# KiCad board kibot_edayvwh5.kicad_pcb (continued)
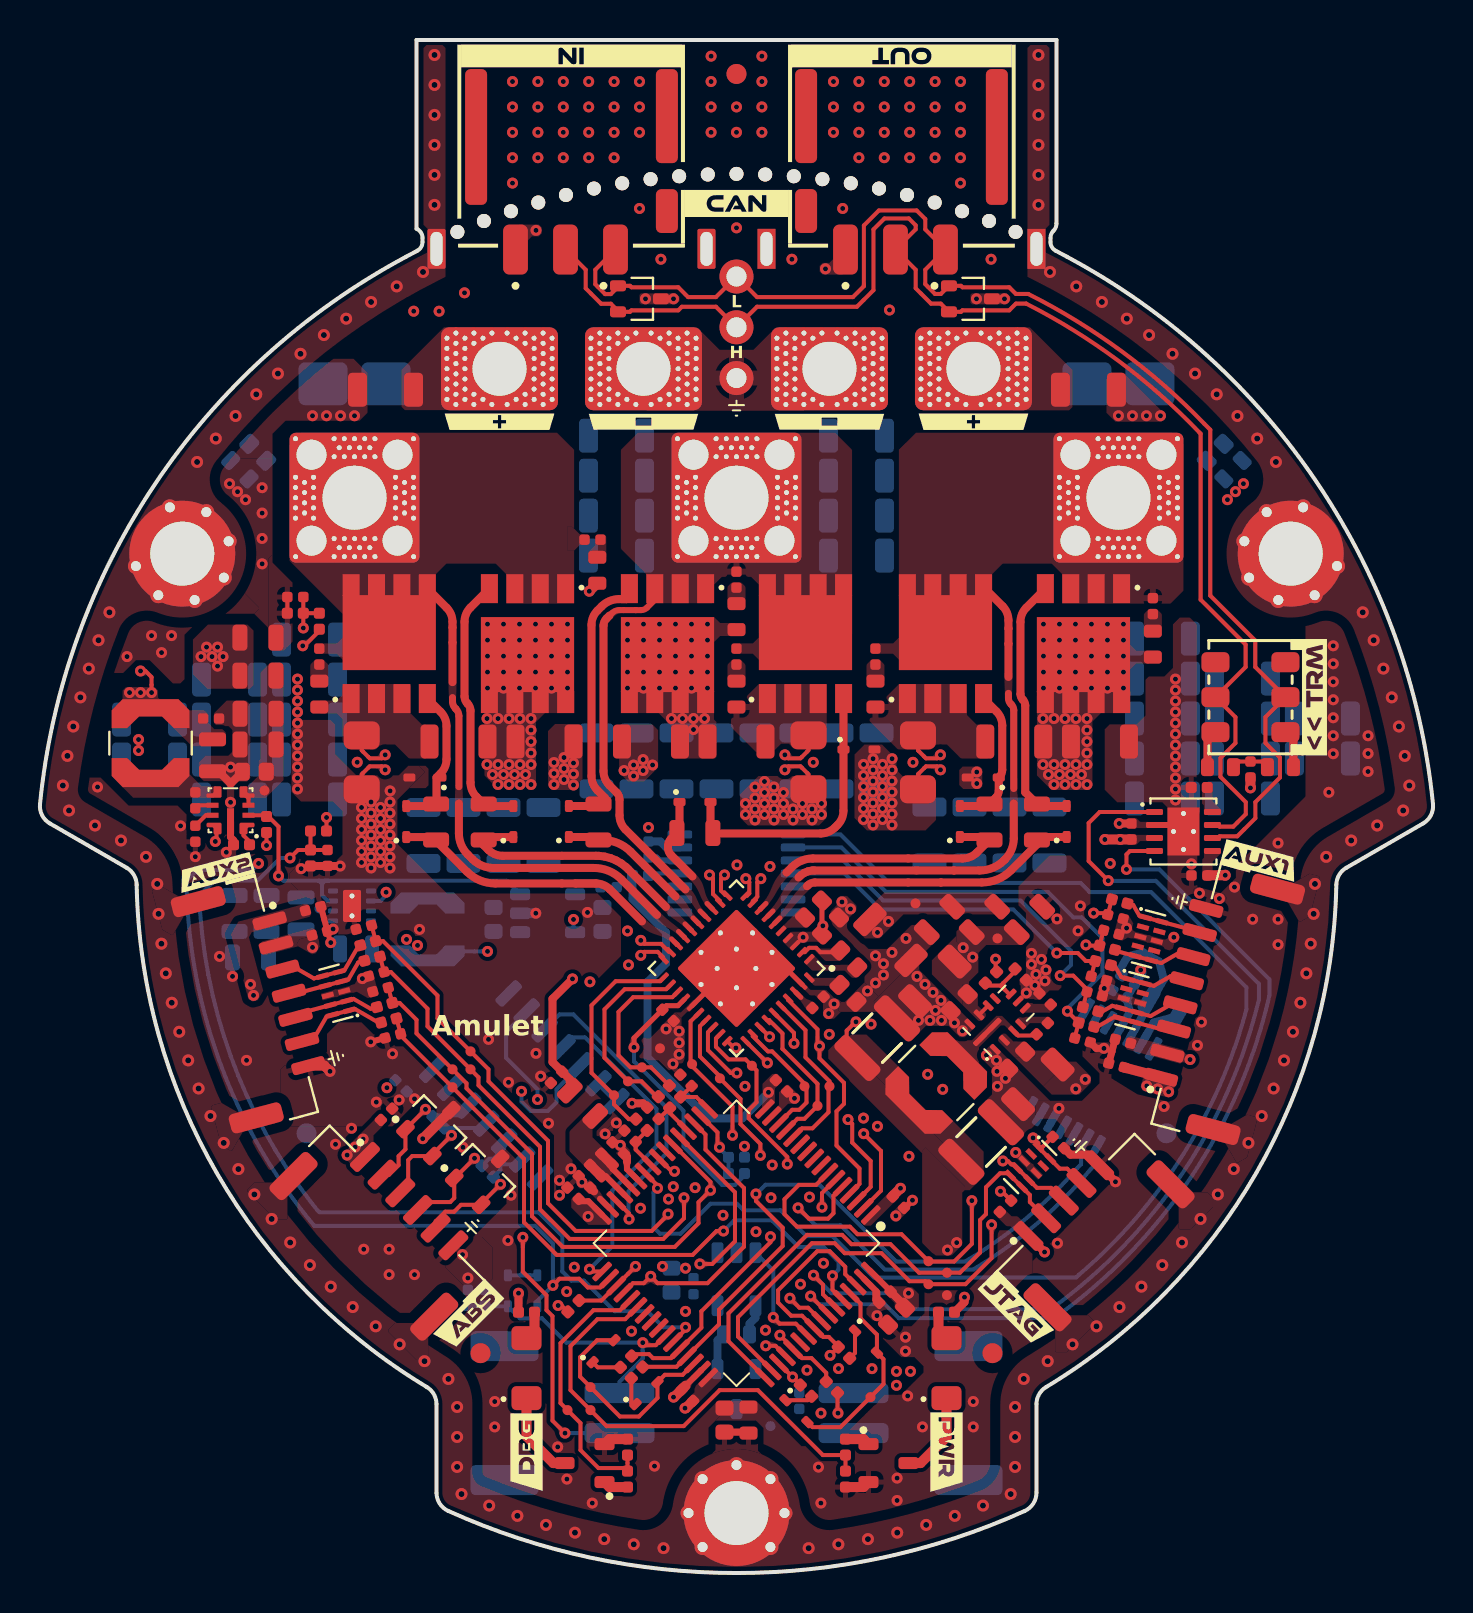
[diagram p0: board, top side]
## Library data of the parts (continued)
R31 R32 = -: Datasheet: https://industrial.panasonic.com/ww/products/pt/general-purpose-chip-resistors/models/ERJ2GE0R00X; Description: 0 Ohms Jumper Chip Resistor 0402 (1005 Metric) Automotive AEC-Q200 Thick Film; Manufacturer: Panasonic Electronic Components; Manufacturer Part Number: ERJ-2GE0R00X; Supplier 1: Digikey; Supplier Part Number 1: P0.0JCT-ND; manf: Panasonic Electronic Components; manf#: ERJ-2GE0R00X; part: R_Small; ki_fp_filters: R_*
R34 = -: Datasheet: https://www.vishay.com/docs/20043/crcwhpe3.pdf; Description: 10 Ohms ±1% 0.333W, 1/3W Chip Resistor 0603 (1608 Metric) Automotive AEC-Q200, Pulse Withstanding Thick Film; Manufacturer: Vishay; Manufacturer Part Number: CRCW060310R0FKEAHP; Supplier 1: Digikey; Supplier Part Number 1: 541-10.0SCT-ND; manf: Vishay; manf#: CRCW060310R0FKEAHP; part: R_Small; ki_fp_filters: R_*
R44-R47 = -: Datasheet: https://industrial.panasonic.com/cdbs/www-data/pdf/RDA0000/AOA0000C304.pdf; Description: 2 kOhms ±1% 0.1W, 1/10W Chip Resistor 0402 (1005 Metric) Automotive AEC-Q200 Thick Film; Manufacturer: Vishay; Manufacturer Part Number: ERJ-2RKF2001X; Supplier 1: Digikey; Supplier Part Number 1: P2.00KLCT-ND; manf: Vishay; manf#: ERJ-2RKF2001X; part: R_Small; ki_fp_filters: R_*
R50 R51 = -: Datasheet: https://www.rohm.com/datasheet?p=ESR01MZPF&dist=Digi-key&media=referral&source=digi-key.com&campaign=Digi-key; Description: 60.4 Ohms ±1% 0.25W, 1/4W Chip Resistor 0603 (1608 Metric) Automotive AEC-Q200, Pulse Withstanding Thick Film; Manufacturer: Rohm Semiconductor; Manufacturer Part Number: ESR03EZPF60R4; Supplier 1: Digikey; Supplier Part Number 1: 511-ESR03EZPF60R4CT-ND; manf: Rohm Semiconductor; manf#: ESR03EZPF60R4; part: R_Small; ki_fp_filters: R_*
R52-R54 = -: Datasheet: https://www.vishay.com/docs/20043/crcwhpe3.pdf; Description: 0 Ohms Jumper Chip Resistor 0603 (1608 Metric) Automotive AEC-Q200, Pulse Withstanding Thick Film; Manufacturer: Vishay; Manufacturer Part Number: CRCW06030000Z0EAHP; Supplier 1: Digikey; Supplier Part Number 1: 541-0.0SBCT-ND; manf: Vishay; manf#: CRCW06030000Z0EAHP; part: R_Small; ki_fp_filters: R_*
R55-R60 = -: Datasheet: https://www.seielect.com/catalog/sei-csrt.pdf; Description: 5 Ohms ±1% 0.4W Chip Resistor 0603 (1608 Metric) Automotive AEC-Q200, Current Sense Thin Film; Manufacturer: Stackpole Electronics Inc; Manufacturer Part Number: CSRT0603FT5R00; Supplier 1: Digikey; Supplier Part Number 1: 738-CSRT0603FT5R00CT-ND; Config: -NO_SNUBBER,-NONE; manf: Stackpole Electronics Inc; manf#: CSRT0603FT5R00; part: R_Small; ki_fp_filters: R_*
SW1 = -: Datasheet: https://www.nidec-copal-electronics.com/e/catalog/switch/cas.pdf; Description: SWITCH SLIDE DPDT 100MA 6V; Manufacturer: Nidec Components Corporation; Supplier 1: Digikey; Supplier Part Number 1: CAS220JCT-ND; manf: Nidec Components Corporation; part: SW_DPDT_x2; ki_fp_filters: SW*DPDT*
TH1 = -: Datasheet: https://www.murata.com/~/media/webrenewal/support/library/catalog/products/thermistor/r01e.ashx; Description: NTC Thermistor 47k 4050K 0402 (1005 Metric); Manufacturer: Murata Electronics; Manufacturer Part Number: NCP15WB473F03RC; Supplier 1: Digikey; Supplier Part Number 1: 490-4802-1-ND; manf: Murata Electronics; manf#: NCP15WB473F03RC; part: Thermistor_NTC; ki_fp_filters: *NTC* *Thermistor* PIN?ARRAY* bornier* *Terminal?Block* R_*
TP1-TP74 = -: part: TestPoint; ki_fp_filters: Pin* Test*
U1 = -: Datasheet: https://www.st.com/resource/en/datasheet/stm32g474re.pdf; Description: Arm® Cortex®-M4 32-bit MCU+FPU, 170 MHz / 213 DMIPS, 128 KB SRAM, rich analog, math acc, 184 ps 12 chan Hi-res timer; Manufacturer: STMicroelectronics; Supplier 1: Digikey; Supplier Part Number 1: 497-STM32G474RET3-ND; manf: STMicroelectronics; part: STM32G474RETx; ki_fp_filters: QFN*1EP*7x7mm*P0.5mm*
U2 = -: Datasheet: https://www.ti.com/lit/ds/symlink/lmr36506-q1.pdf; Description: LMR36506-Q1 3-V to 65-V, 0.6-A Synchronous Buck Converter Optimized for Size and Light Load Efficiency; Manufacturer: Texas Instruments; Manufacturer Part Number: LMR36503MSC5RPERQ1; Supplier 1: Digikey; Supplier Part Number 1: 296-LMR36506MSC5RPERQ1CT-ND; manf: Texas Instruments; manf#: LMR36503MSC5RPERQ1
U3 = -: Datasheet: https://www.ti.com/lit/ds/symlink/lmr36006-q1.pdf; Description: LMR36006-Q1 4.2-V to 60-V, 0.6-A Ultra-Small Synchronous Step-Down Converter; Manufacturer: Texas Instruments; Manufacturer Part Number: LMR36006FSCQRNXTQ1; Supplier 1: Digikey; Supplier Part Number 1: 296-LMR36006FSCQRNXTQ1CT-ND; manf: Texas Instruments; manf#: LMR36006FSCQRNXTQ1
U4 = -: Datasheet: http://www.ti.com/lit/ds/symlink/tps62170.pdf; Description: TPS6217x 3-V to 17-V, 0.5-A Step-Down Converters with DCS-Control™; Manufacturer: Texas Instruments; Manufacturer Part Number: TPS62172DSGR; Supplier 1: Digikey; Supplier Part Number 1: 296-39449-1-ND; manf: Texas Instruments; manf#: TPS62172DSGR; ki_fp_filters: WSON*EP*2x2mm*P0.5mm*
U5 = -: Datasheet: https://www.ti.com/lit/ds/symlink/lp2992.pdf; Description: LP2992 Micropower 250-mA Low-Noise Ultra-Low-Dropout Regulator in SOT-23 and WSON Packages Designed for Use With Very Low-ESR Output Capacitors; Manufacturer: Texas Instruments; Supplier 1: Digikey; Supplier Part Number 1: LP2992IM5-3.3/NOPBCT-ND; manf: Texas Instruments; ki_fp_filters: SOT?23*
U6 = -: Datasheet: https://www.ti.com/lit/ds/symlink/drv8353f.pdf; Description: DRV835xF 100-V Three-Phase Smart Gate Driver; Manufacturer: Texas Instruments; Manufacturer Part Number: DRV8353FSRTAR; Supplier 1: Digikey; Supplier Part Number 1: 296-DRV8353FSRTARCT-ND; manf: Texas Instruments; manf#: DRV8353FSRTAR
U7 = -: Datasheet: https://ams.com/documents/20143/36005/AS5047P_DS000324_3-00.pdf; Description: 14-Bit On-Axis Magnetic Rotary Position Sensor with 12-Bit Decimal and Binary Incremental Pulse Count for 28krpm High Speed Capability; Manufacturer: ams-OSRAM USA INC.; Manufacturer Part Number: AS5047P-ATSM; Supplier 1: Digikey; Supplier Part Number 1: AS5047P-ATSMCT-ND; manf: ams-OSRAM USA INC.; manf#: AS5047P-ATSM; ki_fp_filters: TSSOP*4.4x5mm*P0.65mm*
U8 = -: Datasheet: https://ams.com/documents/20143/36005/AS5048_DS000298_4-00.pdf; Description: 14-bit Magnetic Rotary Encoder, I2C Interface; Manufacturer: ams-OSRAM USA INC.; Manufacturer Part Number: AS5048B-HTSP-500; Supplier 1: Digikey; Supplier Part Number 1: AS5048B-HTSP-500CT-ND; manf: ams-OSRAM USA INC.; manf#: AS5048B-HTSP-500; ki_fp_filters: TSSOP*4.4x5mm*P0.65mm*
U9 = -: Datasheet: https://www.ti.com/lit/ds/symlink/sn65hvd30.pdf; Description: SN65HVD3x 3.3-V Full-Duplex RS-485 Drivers and Receivers; Manufacturer: Texas Instruments; Supplier 1: Digikey; Supplier Part Number 1: 296-18706-1-ND; manf: Texas Instruments; ki_fp_filters: DFN*3x3mm*P0.5mm*
U10 = -: Datasheet: https://www.ti.com/general/docs/suppproductinfo.tsp?distId=10&gotoUrl=https%3A%2F%2Fwww.ti.com%2Flit%2Fgpn%2Ftcan1051-q1; Description: TCAN1051-Q1 Automotive Fault Protected CAN Transceiver with CAN FD; Manufacturer: Texas Instruments; Supplier 1: Digikey; Supplier Part Number 1: 296-TCAN1051HGVDRBRQ1CT-ND; manf: Texas Instruments
U11 = -: Datasheet: https://www.diodes.com/assets/Datasheets/DGD0215-0216.pdf; Description: 1.9A HIGH SPEED SINGLE GATE DRIVER; Manufacturer: Diodes Incorporated; Supplier 1: Digikey; Supplier Part Number 1: DGD0216WT-7DICT-ND; manf: Diodes Incorporated

## Footprints (pads in the part's own frame, mm; a bottom-side part is the same pattern mirrored in y, then rotated)
2-5S1A
  rect 0.9x0.9 smd: (-0.6,1.725) (-0.6,0.575) (-0.6,-0.575) (-0.6,-1.725) (0.5,1.725) (0.5,0.575) (0.5,-0.575) (0.5,-1.725) (1.6,1.725) (1.6,0.575) (1.6,-0.575) (1.6,-1.725)
  rect 1.45x0.85 smd: 1(-2.75,1.905) 2(-2.75,0.635) 3(-2.75,-0.635) 4(-2.75,-1.905)
  rect 3.75x4.66 smd: 5(0.55,0)
  rect 1.1x0.85 smd: 5(2.925,-1.905) 6(2.925,-0.635) 7(2.925,0.635) 8(2.925,1.905)
1054301203
  rrect 1.24x2.5 smd: 1(2.8,4.685) 2(0.3,4.685) 3(-2.2,4.685)
  rrect 1.1x2.195 smd: MP1(4.77,2.757)
  rrect 1.1x6.795 smd: MP2(-4.77,-0.948)
  rrect 1.1x4.705 smd: MP3(4.77,-1.992)
1054301203#2
  rrect 1.24x2.5 smd: 1(2.8,4.685) 2(0.3,4.685) 3(-2.2,4.685)
  rrect 1.1x6.795 smd: MP1(4.77,-0.948)
  rrect 1.1x2.195 smd: MP2(-4.77,2.76)
  rrect 1.1x4.705 smd: MP3(-4.77,-1.99)
AMASS_XT60PW-F_1x02_P7.20mm_Horizontal
  round 0.55 hole 0.25: 1(-2.63,-1.53) 1(-2.63,-1.02) 1(-2.63,-0.51) 1(-2.63,0) 1(-2.63,0.51) 1(-2.63,1.02) 1(-2.63,1.53) 1(-2.18,-1.785) 1(-2.18,-1.275) 1(-2.18,-0.765) 1(-2.18,-0.255) 1(-2.18,0.255) 1(-2.18,0.765) 1(-2.18,1.275) 1(-2.18,1.785) 1(-1.73,-1.53) 1(-1.73,-1.02) 1(-1.73,-0.51) 1(-1.73,0) 1(-1.73,0.51) 1(-1.73,1.02) 1(-1.73,1.53) 1(-1.28,-1.785) 1(-1.28,-1.275) 1(-1.28,1.275) 1(-1.28,1.785) 1(-0.83,-1.53) 1(-0.83,1.53) 1(-0.38,-1.785) 1(-0.38,1.785) 1(0.38,-1.785) 1(0.38,1.785) 1(0.83,-1.53) 1(0.83,1.53) 1(1.28,-1.785) 1(1.28,-1.275) 1(1.28,1.275) 1(1.28,1.785) 1(1.73,-1.53) 1(1.73,-1.02) 1(1.73,-0.51) 1(1.73,0) 1(1.73,0.51) 1(1.73,1.02) 1(1.73,1.53) 1(2.18,-1.785) 1(2.18,-1.275) 1(2.18,-0.765) 1(2.18,-0.255) 1(2.18,0.255) 1(2.18,0.765) 1(2.18,1.275) 1(2.18,1.785) 1(2.63,-1.53) 1(2.63,-1.02) 1(2.63,-0.51) 1(2.63,0) 1(2.63,0.51) 1(2.63,1.02) 1(2.63,1.53) 2(-9.83,-1.53) 2(-9.83,-1.02) 2(-9.83,-0.51) 2(-9.83,0) 2(-9.83,0.51) 2(-9.83,1.02) 2(-9.83,1.53) 2(-9.38,-1.785) 2(-9.38,-1.275) 2(-9.38,-0.765) 2(-9.38,-0.255) 2(-9.38,0.255) 2(-9.38,0.765) 2(-9.38,1.275) 2(-9.38,1.785) 2(-8.93,-1.53) 2(-8.93,-1.02) 2(-8.93,-0.51) 2(-8.93,0) 2(-8.93,0.51) 2(-8.93,1.02) 2(-8.93,1.53) 2(-8.48,-1.785) 2(-8.48,-1.275) 2(-8.48,1.275) 2(-8.48,1.785) 2(-8.03,-1.53) 2(-8.03,1.53) 2(-7.58,-1.785) 2(-7.58,1.785) 2(-6.82,-1.785) 2(-6.82,1.785) 2(-6.37,-1.53) 2(-6.37,1.53) 2(-5.92,-1.785) 2(-5.92,-1.275) 2(-5.92,1.275) 2(-5.92,1.785) 2(-5.47,-1.53) 2(-5.47,-1.02) 2(-5.47,-0.51) 2(-5.47,0) 2(-5.47,0.51) 2(-5.47,1.02) 2(-5.47,1.53) 2(-5.02,-1.785) 2(-5.02,-1.275) 2(-5.02,-0.765) 2(-5.02,-0.255) 2(-5.02,0.255) 2(-5.02,0.765) 2(-5.02,1.275) 2(-5.02,1.785) 2(-4.57,-1.53) 2(-4.57,-1.02) 2(-4.57,-0.51) 2(-4.57,0) 2(-4.57,0.51) 2(-4.57,1.02) 2(-4.57,1.53)
  rrect 5.85x4.15 hole 2.7: 1(0,0) 2(-7.2,0)
  rect 0.9x2 hole 0.6x1.7: MP1(3.15,6) MP2(-10.35,6)
AMASS_XT60PW-M_1x02_P7.20mm_Horizontal
  round 0.55 hole 0.25: 1(-2.63,-1.53) 1(-2.63,-1.02) 1(-2.63,-0.51) 1(-2.63,0) 1(-2.63,0.51) 1(-2.63,1.02) 1(-2.63,1.53) 1(-2.18,-1.785) 1(-2.18,-1.275) 1(-2.18,-0.765) 1(-2.18,-0.255) 1(-2.18,0.255) 1(-2.18,0.765) 1(-2.18,1.275) 1(-2.18,1.785) 1(-1.73,-1.53) 1(-1.73,-1.02) 1(-1.73,-0.51) 1(-1.73,0) 1(-1.73,0.51) 1(-1.73,1.02) 1(-1.73,1.53) 1(-1.28,-1.785) 1(-1.28,-1.275) 1(-1.28,1.275) 1(-1.28,1.785) 1(-0.83,-1.53) 1(-0.83,1.53) 1(-0.38,-1.785) 1(-0.38,1.785) 1(0.38,-1.785) 1(0.38,1.785) 1(0.83,-1.53) 1(0.83,1.53) 1(1.28,-1.785) 1(1.28,-1.275) 1(1.28,1.275) 1(1.28,1.785) 1(1.73,-1.53) 1(1.73,-1.02) 1(1.73,-0.51) 1(1.73,0) 1(1.73,0.51) 1(1.73,1.02) 1(1.73,1.53) 1(2.18,-1.785) 1(2.18,-1.275) 1(2.18,-0.765) 1(2.18,-0.255) 1(2.18,0.255) 1(2.18,0.765) 1(2.18,1.275) 1(2.18,1.785) 1(2.63,-1.53) 1(2.63,-1.02) 1(2.63,-0.51) 1(2.63,0) 1(2.63,0.51) 1(2.63,1.02) 1(2.63,1.53) 2(4.57,-1.53) 2(4.57,-1.02) 2(4.57,-0.51) 2(4.57,0) 2(4.57,0.51) 2(4.57,1.02) 2(4.57,1.53) 2(5.02,-1.785) 2(5.02,-1.275) 2(5.02,-0.765) 2(5.02,-0.255) 2(5.02,0.255) 2(5.02,0.765) 2(5.02,1.275) 2(5.02,1.785) 2(5.47,-1.53) 2(5.47,-1.02) 2(5.47,-0.51) 2(5.47,0) 2(5.47,0.51) 2(5.47,1.02) 2(5.47,1.53) 2(5.92,-1.785) 2(5.92,-1.275) 2(5.92,1.275) 2(5.92,1.785) 2(6.37,-1.53) 2(6.37,1.53) 2(6.82,-1.785) 2(6.82,1.785) 2(7.58,-1.785) 2(7.58,1.785) 2(8.03,-1.53) 2(8.03,1.53) 2(8.48,-1.785) 2(8.48,-1.275) 2(8.48,1.275) 2(8.48,1.785) 2(8.93,-1.53) 2(8.93,-1.02) 2(8.93,-0.51) 2(8.93,0) 2(8.93,0.51) 2(8.93,1.02) 2(8.93,1.53) 2(9.38,-1.785) 2(9.38,-1.275) 2(9.38,-0.765) 2(9.38,-0.255) 2(9.38,0.255) 2(9.38,0.765) 2(9.38,1.275) 2(9.38,1.785) 2(9.83,-1.53) 2(9.83,-1.02) 2(9.83,-0.51) 2(9.83,0) 2(9.83,0.51) 2(9.83,1.02) 2(9.83,1.53)
  rrect 5.85x4.15 hole 2.7: 1(0,0) 2(7.2,0)
  rrect 0.9x2 hole 0.6x1.7: MP1(-3.15,6) MP2(10.35,6)
C_0402_1005_DensityHigh
  rrect 0.52x0.52 smd: 1(-0.4,0) 2(0.4,0)
C_0603_1608_DensityHigh
  rrect 0.75x0.9 smd: 1(-0.6,0) 2(0.6,0)
C_0805_2012_DensityHighest
  rrect 0.7x1.35 smd: 1(-0.8,0) 2(0.8,0)
C_1206_3216_DensityHigh
  rrect 0.95x1.7 smd: 1(-1.4,0) 2(1.4,0)
C_1206_3216_DensityHighest
  rrect 0.9x1.7 smd: 1(-1.45,0) 2(1.45,0)
C_1210_3225_DensityHigh
  rrect 0.95x2.6 smd: 1(-1.4,0) 2(1.4,0)
CAS-220A_NDC-L
  rrect 1.4x1 smd: 1(-1.75,1.75) 2(-1.75,0) 3(-1.75,-1.75) 4(1.75,1.75) 5(1.75,0) 6(1.75,-1.75)
D_SOD-523
  rrect 0.6x0.4 smd: 1(-0.775,0) 2(0.775,0)
DIOM4336X24N
  rrect 2.45x2.15 smd: 1(-1.575,0) 2(1.575,0)
Fiducial_1mm_Mask2mm
  round 1 smd: (0,0)
HCS1206FTL500
  rrect 1.4x1.8 smd: 1(-1.35,0) 2(1.35,0)
HVSON-8-1EP_3x3mm_P0.65mm_EP1.6x2.4mm_ThermalVias
  rrect 1.4x1 smd: (0,0.6) (0,-0.6)
  rrect 0.85x0.3 smd: 1(-1.45,0.975) 2(-1.45,0.325) 3(-1.45,-0.325) 4(-1.45,-0.975) 5(1.45,-0.975) 6(1.45,-0.325) 7(1.45,0.325) 8(1.45,0.975)
  round 0.55 hole 0.25: 9(-0.5,0) 9(0,0.9) 9(0,-0.9) 9(0.5,0)
  rect 1.6x2.4 smd: 9(0,0)
JST_GH_SM05B-GHS-TB_1x05-1MP_P1.25mm_Horizontal
  rrect 0.6x1.7 smd: 1(-2.5,1.85) 2(-1.25,1.85) 3(0,1.85) 4(1.25,1.85) 5(2.5,1.85)
  rrect 1x2.7 smd: MP1(-4.35,-1.35) MP2(4.35,-1.35)
JST_GH_SM06B-GHS-TB_1x06-1MP_P1.25mm_Horizontal
  rrect 0.6x1.7 smd: 1(-3.125,1.85) 2(-1.875,1.85) 3(-0.625,1.85) 4(0.625,1.85) 5(1.875,1.85) 6(3.125,1.85)
  rrect 1x2.7 smd: MP1(-4.975,-1.35) MP2(4.975,-1.35)
JST_GH_SM07B-GHS-TB_1x07-1MP_P1.25mm_Horizontal
  rrect 0.6x1.7 smd: 1(-3.75,1.85) 2(-2.5,1.85) 3(-1.25,1.85) 4(0,1.85) 5(1.25,1.85) 6(2.5,1.85) 7(3.75,1.85)
  rrect 1x2.7 smd: MP1(-5.6,-1.35) MP2(5.6,-1.35)
JST_GH_SM08B-GHS-TB_1x08-1MP_P1.25mm_Horizontal
  rrect 0.6x1.7 smd: 1(-4.375,1.85) 2(-3.125,1.85) 3(-1.875,1.85) 4(-0.625,1.85) 5(0.625,1.85) 6(1.875,1.85) 7(3.125,1.85) 8(4.375,1.85)
  rrect 1x2.7 smd: MP1(-6.225,-1.35) MP2(6.225,-1.35)
JST_PH_S2B-PH-SM4-TB_1x02-1MP_P2.00mm_Horizontal
  rrect 1x3.5 smd: 1(-1,2.85) 2(1,2.85)
  rrect 1.5x3.4 smd: MP1(-3.35,-2.9) MP2(3.35,-2.9)
L_Coilcraft_LPS3314
  custom 0.6x0.881 smd: 1(-1.55,0) 2(1.55,0)
L_Coilcraft_LPS4018
  custom 0.87x2.79 smd: 1(-1.765,0) 2(1.765,0)
LED_SM1206
  rrect 1.2x1.5 smd: 1(-1.5,0) 2(1.5,0)
LMR36006
  rrect 0.6x0.25 smd: 1(-0.9,1.125) 2(-0.9,0.475) 3(-0.9,-0.175) 4(-0.9,-0.675) 8(0.9,-0.675) 9(0.9,-0.175) 10(0.9,0.475) 11(0.9,1.125)
  rrect 0.25x0.6 smd: 5(-0.5,-1.4) 6(0,-1.4) 7(0.5,-1.4)
  rrect 0.25x0.81 smd: 12(0,1.295) 12(0,0.28)
  rrect 0.25x1.825 smd: 12(0,0.788)
LMR36503
  custom 0.25x0.201 smd: 1(-0.65,0.8)
  rect 0.6x0.25 smd: 2(-0.9,0.25) 3(-0.9,-0.25) 6(0.9,-0.25) 7(0.9,0.25)
  custom 0.2x0.2 smd: 4(-0.7,-0.8) 5(0.7,-0.8) 8(0.7,0.8)
  rect 0.35x1.3 smd: 9(0,0.55)
LQFP-64_10x10mm_P0.5mm
  rrect 1.2x0.28 smd: 1(-5.75,3.75) 2(-5.75,3.25) 3(-5.75,2.75) 4(-5.75,2.25) 5(-5.75,1.75) 6(-5.75,1.25) 7(-5.75,0.75) 8(-5.75,0.25) 9(-5.75,-0.25) 10(-5.75,-0.75) 11(-5.75,-1.25) 12(-5.75,-1.75) 13(-5.75,-2.25) 14(-5.75,-2.75) 15(-5.75,-3.25) 16(-5.75,-3.75) 33(5.75,-3.75) 34(5.75,-3.25) 35(5.75,-2.75) 36(5.75,-2.25) 37(5.75,-1.75) 38(5.75,-1.25) 39(5.75,-0.75) 40(5.75,-0.25) 41(5.75,0.25) 42(5.75,0.75) 43(5.75,1.25) 44(5.75,1.75) 45(5.75,2.25) 46(5.75,2.75) 47(5.75,3.25) 48(5.75,3.75)
  rrect 0.28x1.2 smd: 17(-3.75,-5.75) 18(-3.25,-5.75) 19(-2.75,-5.75) 20(-2.25,-5.75) 21(-1.75,-5.75) 22(-1.25,-5.75) 23(-0.75,-5.75) 24(-0.25,-5.75) 25(0.25,-5.75) 26(0.75,-5.75) 27(1.25,-5.75) 28(1.75,-5.75) 29(2.25,-5.75) 30(2.75,-5.75) 31(3.25,-5.75) 32(3.75,-5.75) 49(3.75,5.75) 50(3.25,5.75) 51(2.75,5.75) 52(2.25,5.75) 53(1.75,5.75) 54(1.25,5.75) 55(0.75,5.75) 56(0.25,5.75) 57(-0.25,5.75) 58(-0.75,5.75) 59(-1.25,5.75) 60(-1.75,5.75) 61(-2.25,5.75) 62(-2.75,5.75) 63(-3.25,5.75) 64(-3.75,5.75)
MountingHole_3.2mm_M3_Pad_Via
  round 0.8 hole 0.5: 1(-2.4,0) 1(-1.697,1.697) 1(-1.697,-1.697) 1(0,-2.4) 1(1.697,1.697) 1(1.697,-1.697) 1(2.4,0)
  round 5.3 hole 3.2: 1(0,0)
mousebites_single_0.7mm
  round 0.7 hole 0.7 unplated: (0,0)
NetTie-2_SMD_Pad0.2mm
  round 0.2 smd: 1(-0.2,0) 2(0.2,0)
  rect 0.4x0.2 smd: 1(0,0)
NetTie-2_SMD_Pad0.3mm
  round 0.3 smd: 1(-0.3,0) 2(0.3,0)
  rect 0.6x0.3 smd: 1(0,0)
NetTie-2_SMD_Pad0.4mm
  round 0.4 smd: 1(-0.4,0) 2(0.4,0)
  rect 0.8x0.4 smd: 1(0,0)
Pad_Square_Vias_6.5x6.5mm
  round 0.55 hole 0.25: 1(-2.95,2.95) 1(-2.95,1.02) 1(-2.95,0.51) 1(-2.95,0) 1(-2.95,-0.51) 1(-2.95,-1.02) 1(-2.95,-2.95) 1(-2.5,0.765) 1(-2.5,0.255) 1(-2.5,-0.255) 1(-2.5,-0.765) 1(-2.05,1.02) 1(-2.05,0.51) 1(-2.05,0) 1(-2.05,-0.51) 1(-2.05,-1.02) 1(-1.02,2.95) 1(-1.02,2.05) 1(-1.02,-2.05) 1(-1.02,-2.95) 1(-0.765,2.5) 1(-0.765,-2.5) 1(-0.51,2.95) 1(-0.51,2.05) 1(-0.51,-2.05) 1(-0.51,-2.95) 1(-0.255,2.5) 1(-0.255,-2.5) 1(0,2.95) 1(0,2.05) 1(0,-2.05) 1(0,-2.95) 1(0.255,2.5) 1(0.255,-2.5) 1(0.51,2.95) 1(0.51,2.05) 1(0.51,-2.05) 1(0.51,-2.95) 1(0.765,2.5) 1(0.765,-2.5) 1(1.02,2.95) 1(1.02,2.05) 1(1.02,-2.05) 1(1.02,-2.95) 1(2.05,1.02) 1(2.05,0.51) 1(2.05,0) 1(2.05,-0.51) 1(2.05,-1.02) 1(2.5,0.765) 1(2.5,0.255) 1(2.5,-0.255) 1(2.5,-0.765) 1(2.95,2.95) 1(2.95,1.02) 1(2.95,0.51) 1(2.95,0) 1(2.95,-0.51) 1(2.95,-1.02) 1(2.95,-2.95)
  round 2 hole 1.5: 1(-2.15,2.15) 1(-2.15,-2.15) 1(2.15,2.15) 1(2.15,-2.15)
  rrect 6.5x6.5 hole 3.2: 1(0,0)
PTH_1x03_P2.54mm
  round 1.7 hole 1: 1(0,0)
  oval 1.7x1.7 hole 1: 2(0,-2.54) 3(0,-5.08)
R_0402_1005_DensityHigh
  rrect 0.55x0.55 smd: 1(-0.4,0) 2(0.4,0)
R_0603_1608_DensityHigh
  rrect 0.65x0.9 smd: 1(-0.65,0) 2(0.65,0)
R_0603_1608_DensityHigh#2
  rrect 0.65x0.9 smd: 1(-0.65,0) 2(0.65,0)
R_0805_2012_DensityHigh
  rrect 0.75x1.3 smd: 1(-0.9,0) 2(0.9,0)
SOIC-14 5.4mm
  rrect 1.5x0.55 smd: 1(-2.7,3.81) 2(-2.7,2.54) 3(-2.7,1.27) 4(-2.7,0) 5(-2.7,-1.27) 6(-2.7,-2.54) 7(-2.7,-3.81) 8(2.7,-3.81) 9(2.7,-2.54) 10(2.7,-1.27) 11(2.7,0) 12(2.7,1.27) 13(2.7,2.54) 14(2.7,3.81)
SOP-14_4.4x5mm_P0.65mm_H1.2mm
  rrect 1.235x0.4 smd: 1(-2.832,1.95) 2(-2.833,1.3) 3(-2.833,0.65) 4(-2.833,0) 5(-2.833,-0.65) 6(-2.833,-1.3) 7(-2.833,-1.95) 8(2.833,-1.95) 9(2.833,-1.3) 10(2.833,-0.65) 11(2.833,0) 12(2.833,0.65) 13(2.833,1.3) 14(2.833,1.95)
SOT95P230X110-3N
  rrect 0.9x0.6 smd: 1(-1.15,0.95) 2(-1.15,-0.95) 3(1.15,0)
SOT95P230X117-3N
  rrect 0.8x0.55 smd: 1(-1.075,0.65) 2(-1.075,-0.65) 3(1.075,0)
SOT95P280X145-5N
  rrect 1x0.6 smd: 1(-1.375,0.95) 2(-1.375,0) 3(-1.375,-0.95) 4(1.375,-0.95) 5(1.375,0.95)
SOT1176D
  rect 0.6x0.25 smd: 1(-0.425,1) 2(-0.425,0.5) 3(-0.425,0) 4(-0.425,-0.5) 5(-0.425,-1) 6(0.425,-1) 7(0.425,-0.5) 8(0.425,0) 9(0.425,0.5) 10(0.425,1)
SOT-23-3
  rrect 1x0.6 smd: 1(-1,0.95) 2(-1,-0.95) 3(1,0)
SOT-23-5
  rrect 1.05x0.6 smd: 1(-1.325,0.95) 2(-1.325,0) 3(-1.325,-0.95) 4(1.325,-0.95) 5(1.325,0.95)
TestPoint_Pad_D0.4mm
  round 0.4 smd: 1(0,0)
TestPoint_Pad_D0.5mm
  round 0.5 smd: 1(0,0)
WQFN-40-1EP_6x6mm_P0.5mm_EP4.15x4.15mm_ThermalVias
  rrect 1.15x1.15 smd: (-1.37,1.37) (-1.37,-1.37) (0,1.37) (0,0) (0,-1.37) (1.37,1.37) (1.37,0) (1.37,-1.37)
  rrect 1.17x1.17 smd: (-1.37,0)
  rrect 0.6x0.22 smd: 1(-2.9,2.25) 2(-2.9,1.75) 3(-2.9,1.25) 4(-2.9,0.75) 5(-2.9,0.25) 6(-2.9,-0.25) 7(-2.9,-0.75) 8(-2.9,-1.25) 9(-2.9,-1.75) 10(-2.9,-2.25) 21(2.9,-2.25) 22(2.9,-1.75) 23(2.9,-1.25) 24(2.9,-0.75) 25(2.9,-0.25) 26(2.9,0.25) 27(2.9,0.75) 28(2.9,1.25) 29(2.9,1.75) 30(2.9,2.25)
  rrect 0.22x0.6 smd: 11(-2.25,-2.9) 12(-1.75,-2.9) 13(-1.25,-2.9) 14(-0.75,-2.9) 15(-0.25,-2.9) 16(0.25,-2.9) 17(0.75,-2.9) 18(1.25,-2.9) 19(1.75,-2.9) 20(2.25,-2.9) 31(2.25,2.9) 32(1.75,2.9) 33(1.25,2.9) 34(0.75,2.9) 35(0.25,2.9) 36(-0.25,2.9) 37(-0.75,2.9) 38(-1.25,2.9) 39(-1.75,2.9) 40(-2.25,2.9)
  round 0.55 hole 0.25: 41(-1.825,0.685) 41(-1.825,-0.685) 41(-0.685,1.825) 41(-0.685,0.685) 41(-0.685,-0.685) 41(-0.685,-1.825) 41(0.685,1.825) 41(0.685,0.685) 41(0.685,-0.685) 41(0.685,-1.825) 41(1.825,0.685) 41(1.825,-0.685)
  rect 4.1x4.1 smd far side: 41(0,0)
  rrect 4.2x4.2 smd: 41(0,0)
WSON-8-1EP_2x2mm_P0.5mm_EP0.9x1.6mm_ThermalVias
  rect 0.75x0.65 smd: (0,-0.4) (0,0.4)
  rrect 0.5x0.25 smd: 1(-0.95,0.75) 2(-0.95,0.25) 3(-0.95,-0.25) 4(-0.95,-0.75) 5(0.95,-0.75) 6(0.95,-0.25) 7(0.95,0.25) 8(0.95,0.75)
  round 0.6 hole 0.25: 9(0,-0.5) 9(0,0.5)
  rrect 0.9x1.6 smd far side: 9(0,0)
  rrect 0.9x1.6 smd: 9(0,0)

## Nets
+3V3: C1.1 C3.1 C4.1 C5.1 C8.1 C9.1 C83.1 C104.1 C105.1 C107.1 C108.1 C114.1 C115.1 C127.1 J6.2 J7.2 J14.1 L3.2 NT3.2 R8.1 R9.1 R31.1 R32.1 TP48.1 TP49.1 TP50.1 U1.1 U1.16 U1.32 U1.48 U1.64 U7.12 U8.11 U9.13 U9.14 U10.5
+5V: C29.1 C37.1 C45.1 C60.1 C109.1 C110.1 C111.1 C112.1 C113.1 C126.1 FB4.1 J6.1 J7.1 J10.1 L1.2 NT1.1 R7.2 R23.2 R26.1 TP46.1 TP47.1 U5.1 U10.3 U11.5
+12V: C30.1 C38.1 C125.1 J9.1 L2.2 NT2.2 TP45.1
+A3V3: C2.1 C84.1 C90.1 D14.1 D15.1 FB1.1 NT13.1 R19.1 TH1.1 TP51.1 U5.5 U6.24
+VBAT: C15.1 C16.1 C31.1 C32.1 C33.1 C34.1 C35.1 C36.1 C39.1 C40.1 C41.1 C42.1 C43.1 C44.1 C46.1 C47.1 C48.1 C49.1 C50.1 C51.1 C53.1 C54.1 C55.1 C57.1 C58.1 C59.1 C61.1 C62.1 C63.1 C64.1 C65.1 C66.1 C67.1 C68.1 C69.1 C70.1 C71.1 C72.1 C73.1 C74.1 C75.1 C77.1 C78.1 C79.1 C80.1 C81.1 C82.1 C85.1 C86.1 C87.1 C88.1 C89.1 C92.1 C95.1 C96.1 C97.1 C98.1 C99.1 C100.1 D1.2 D2.2 FB2.1 FB3.1 J1.2 J2.2 Q1.5 Q1.6 Q1.7 Q1.8 Q3.5 Q3.6 Q3.7 Q3.8 Q5.5 Q5.6 Q5.7 Q5.8 R29.1 R58.2 R59.2 R60.2 TP39.1 TP40.1 TP41.1 U6.3 U6.4
/Project Architecture/Motor Control - Top Level/DVDD: C94.1 U6.38
/Project Architecture/Power - Generation/VCC_5V: C24.1 U2.7
/Project Architecture/Power - Generation/VCC_12V: C26.1 U3.5
GND: C1.2 C2.2 C3.2 C4.2 C5.2 C6.2 C7.2 C8.2 C9.2 C10.2 C11.2 C12.2 C13.2 C14.2 C15.2 C16.2 C17.2 C18.2 C19.2 C20.2 C21.2 C22.2 C23.2 C24.2 C25.2 C26.2 C29.2 C30.2 C31.2 C32.2 C33.2 C34.2 C35.2 C36.2 C37.2 C38.2 C39.2 C40.2 C41.2 C42.2 C43.2 C44.2 C45.2 C46.2 C47.2 C48.2 C49.2 C50.2 C51.2 C52.2 C53.2 C54.2 C55.2 C56.2 C57.2 C58.2 C59.2 C60.2 C61.2 C62.2 C63.2 C64.2 C65.2 C66.2 C67.2 C68.2 C69.2 C70.2 C71.2 C72.2 C73.2 C74.2 C75.2 C76.2 C77.2 C78.2 C79.2 C80.2 C81.2 C82.2 C83.2 C84.2 C85.2 C86.2 C87.2 C89.2 C90.2 C92.2 C93.2 C94.2 C96.2 C98.2 C100.2 C101.2 C102.2 C103.2 C104.2 C105.2 C106.2 C107.2 C108.2 C109.2 C110.2 C111.2 C112.2 C113.2 C114.2 C115.2 C116.2 C117.2 C118.2 C119.2 C120.2 C121.2 C122.2 C123.2 C124.2 C125.2 C126.2 C127.2 C128.2 C129.2 C130.2 C131.2 C132.2 D3.2 D6.2 D9.2 D16.3 D16.8 D17.3 D17.8 D18.3 D18.8 D23.3 D26.3 D26.8 D27.3 J1.1 J2.1 J6.8 J7.7 J10.6 J11.1 J12.1 J13.1 J14.5 NT6.2 NT9.2 NT12.2 Q7.2 Q8.2 Q9.2 R4.2 R6.2 R12.1 R15.1 R18.1 R20.2 R21.2 R24.2 R27.2 R28.2 R30.2 R33.2 R52.2 R53.2 R54.2 TP52.1 TP53.1 TP54.1 TP55.1 TP56.1 TP57.1 TP58.1 U1.15 U1.27 U1.31 U1.47 U1.63 U2.9 U3.1 U3.6 U3.11 U4.1 U4.4 U4.5 U4.9 U5.2 U6.25 U6.39 U6.41 U7.5 U7.13 U8.5 U8.13 U9.6 U9.7 U10.2 U10.9 U11.2
/Project Architecture/Interface - Fan Control/FAN_GATE: Q9.1 R34.2
/Project Architecture/Interface - Fan Control/FAN_OUT: R34.1 U11.4
/Project Architecture/Interface - Fan Control/FAN_SW: J9.2 Q9.3 TP74.1
/Project Architecture/Interface - Fan Control/FAN_~{IN}: U11.1
/Project Architecture/Interface - FD-CAN/FDCAN_N: D24.1 D25.1 J11.3 J12.3 J13.3 SW1.2 U10.6
/Project Architecture/Interface - FD-CAN/FDCAN_P: D24.2 D25.2 J11.2 J12.2 J13.2 SW1.5 U10.7
/Project Architecture/Interface - FD-CAN/FDCAN_RX: TP33.1 U1.58 U10.4
/Project Architecture/Interface - FD-CAN/FDCAN_S: R33.1 U10.8
/Project Architecture/Interface - FD-CAN/FDCAN_TX: TP34.1 U1.59 U10.1
/Project Architecture/Interface - Interconnects/AUX1_A: C124.1 R35.2 TP17.1 U1.19 U1.36 U7.2
/Project Architecture/Interface - Interconnects/AUX1_B: C122.1 R36.2 TP18.1 U1.57 U7.3
/Project Architecture/Interface - Interconnects/AUX1_C: C120.1 R37.2 TP19.1 U1.21 U7.4
/Project Architecture/Interface - Interconnects/AUX1_D: C118.1 R38.2 R44.2 TP20.1 U1.51 U9.2
/Project Architecture/Interface - Interconnects/AUX1_D_K: D19.1 R44.1
/Project Architecture/Interface - Interconnects/AUX1_E: C116.1 R39.2 R46.2 TP21.1 U1.56 U1.62 U9.5
/Project Architecture/Interface - Interconnects/AUX1_E_K: D21.1 R46.1
/Project Architecture/Interface - Interconnects/AUX1_I2C_PULLUP: D19.2 D21.2 TP22.1 U1.61
/Project Architecture/Interface - Interconnects/AUX1P_A: D18.5 D18.6 J6.3 R35.1
/Project Architecture/Interface - Interconnects/AUX1P_B: D18.4 D18.7 J6.4 R36.1
/Project Architecture/Interface - Interconnects/AUX1P_C: D18.1 D18.10 J6.5 R37.1
/Project Architecture/Interface - Interconnects/AUX1P_D: D16.5 D16.6 J6.6 R38.1
/Project Architecture/Interface - Interconnects/AUX1P_E: D16.1 D16.10 J6.7 R39.1
/Project Architecture/Interface - Interconnects/AUX2_A: C123.1 R40.2 TP24.1 U1.6
/Project Architecture/Interface - Interconnects/AUX2_B: C121.1 R41.2 R45.2 TP25.1 U1.5 U1.44 U8.1
/Project Architecture/Interface - Interconnects/AUX2_B_K: D20.1 R45.1
/Project Architecture/Interface - Interconnects/AUX2_C: C119.1 R42.2 R47.2 TP26.1 U1.22 U1.45 U8.2
/Project Architecture/Interface - Interconnects/AUX2_C_K: D22.1 R47.1
/Project Architecture/Interface - Interconnects/AUX2_D: C117.1 R43.2 TP27.1 U1.60
/Project Architecture/Interface - Interconnects/AUX2_I2C_PULLUP: D20.2 D22.2 TP28.1 U1.46
/Project Architecture/Interface - Interconnects/AUX2P_A: D17.5 D17.6 J7.3 R40.1
/Project Architecture/Interface - Interconnects/AUX2P_B: D17.4 D17.7 J7.4 R41.1
/Project Architecture/Interface - Interconnects/AUX2P_C: D17.2 D17.9 J7.5 R42.1
/Project Architecture/Interface - Interconnects/AUX2P_D: D17.1 D17.10 J7.6 R43.1